# Altium PCB PCB1.PcbDoc
Units mil, origin at the board's own origin, x right, y up, seen from the top; angles counter-clockwise.
Board outline 3915 x 4000 mil, 2 copper layers (Top Layer, Bottom Layer); 10 components, 13 nets, 69 pads, 0 vias.
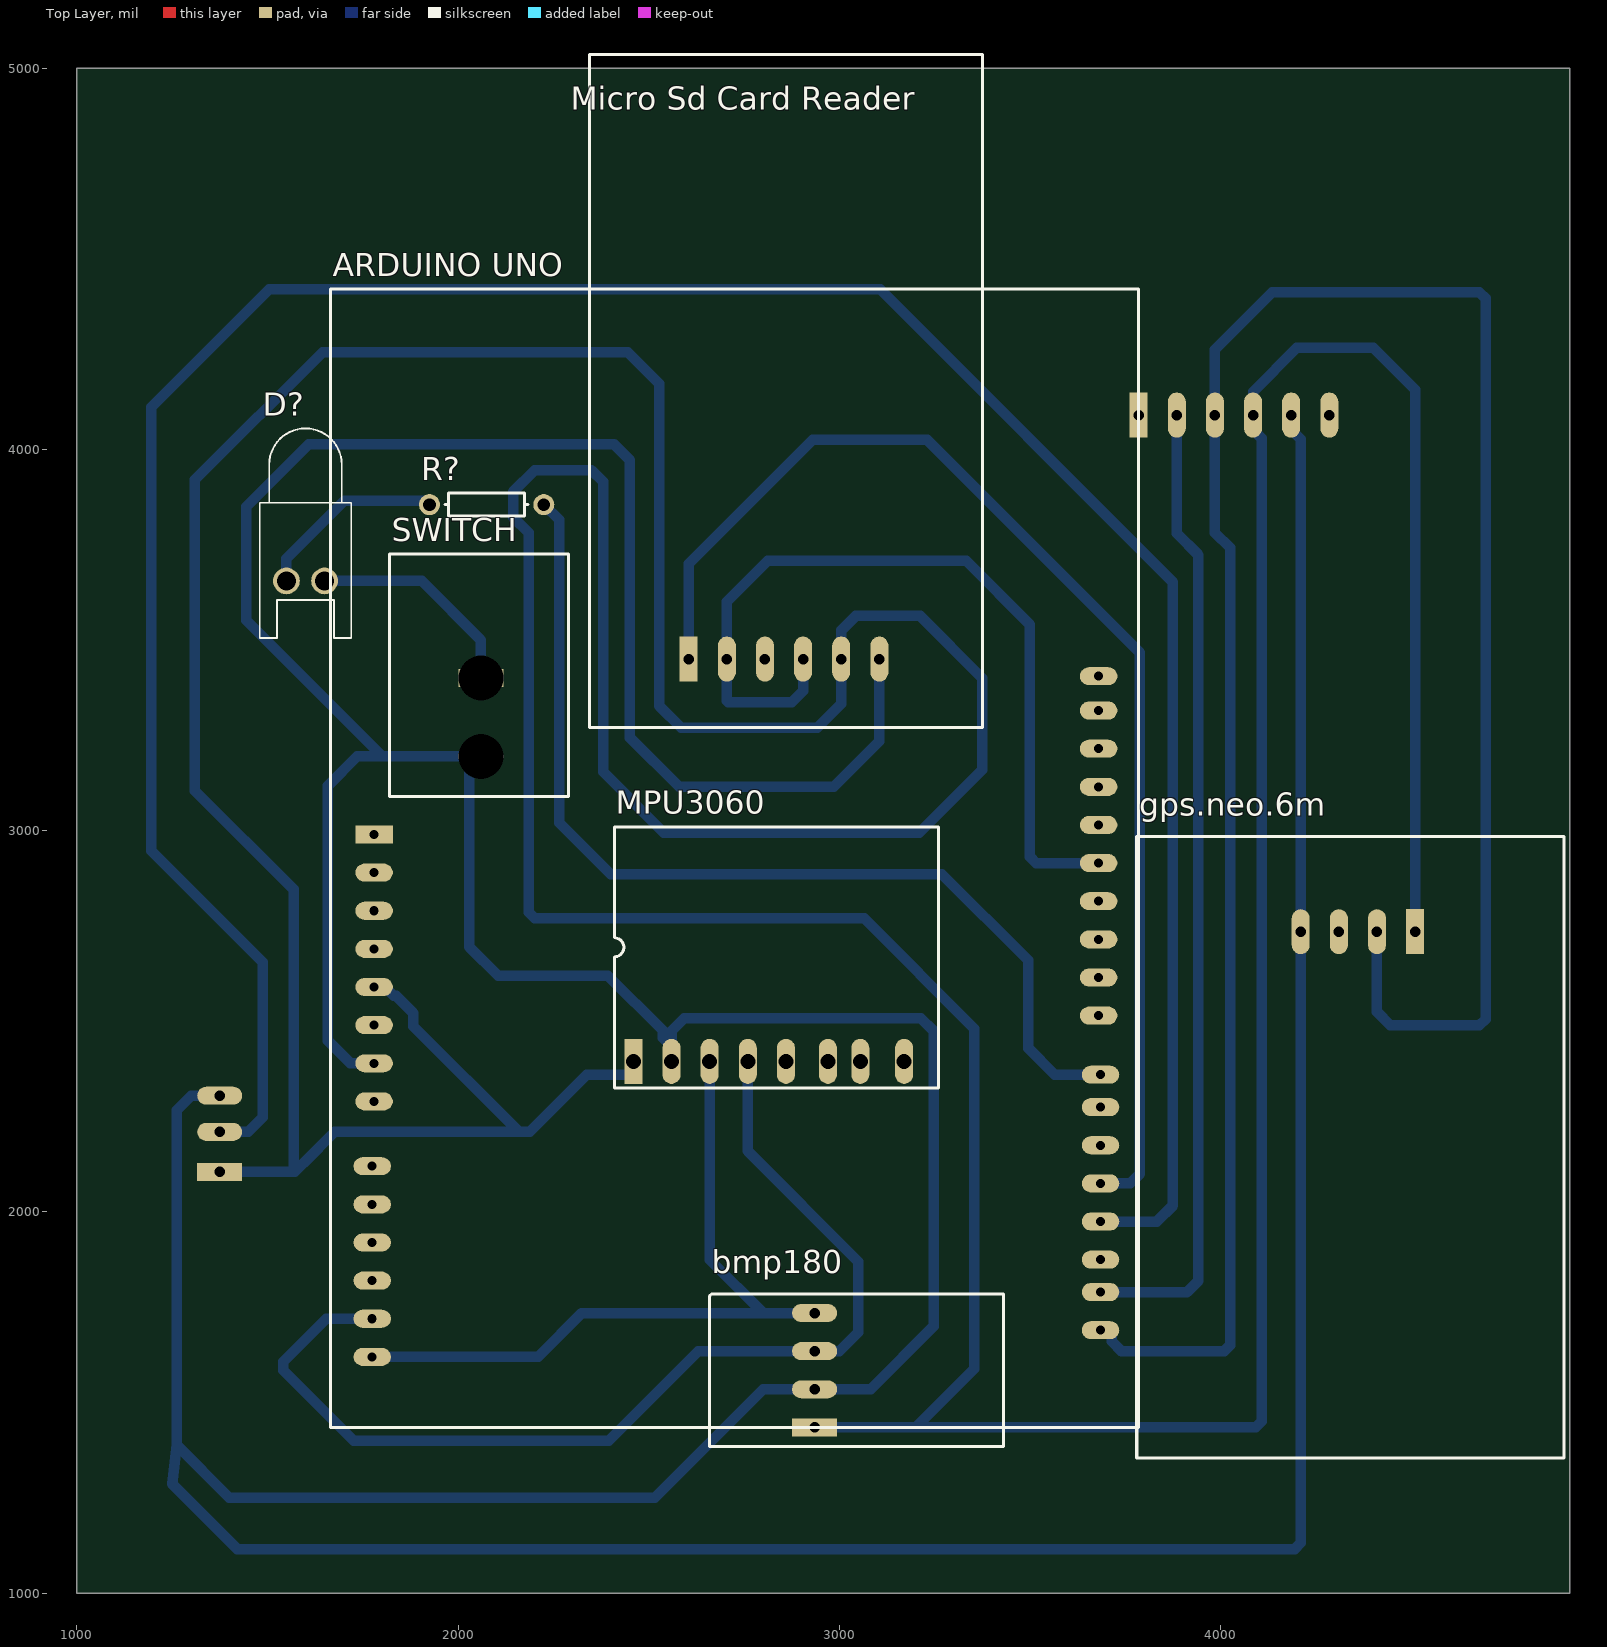
[diagram p0: Top Layer view]
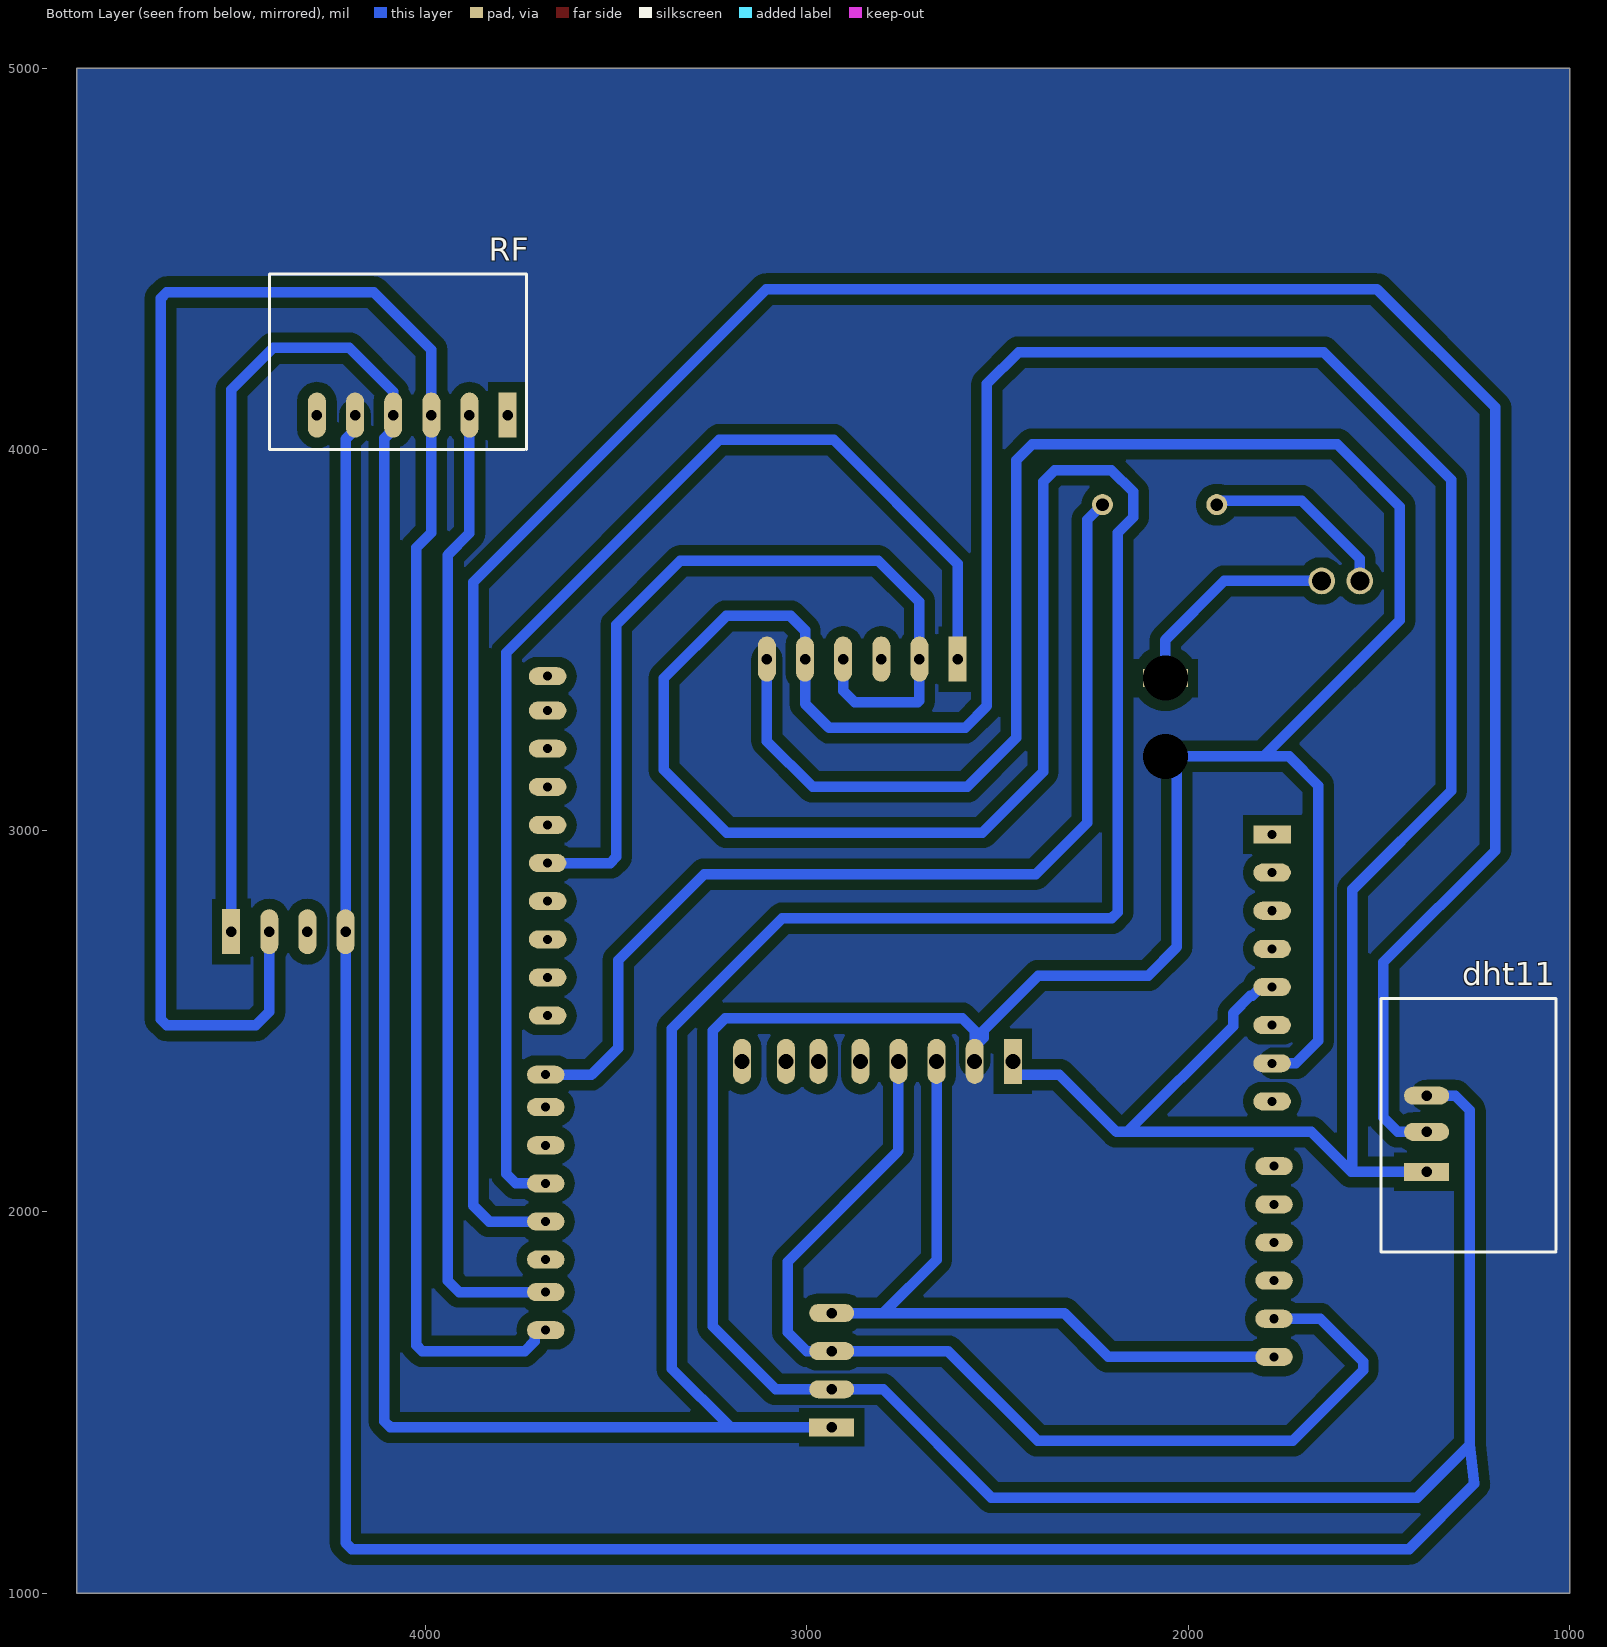
[diagram p1: Bottom Layer view, seen from below]
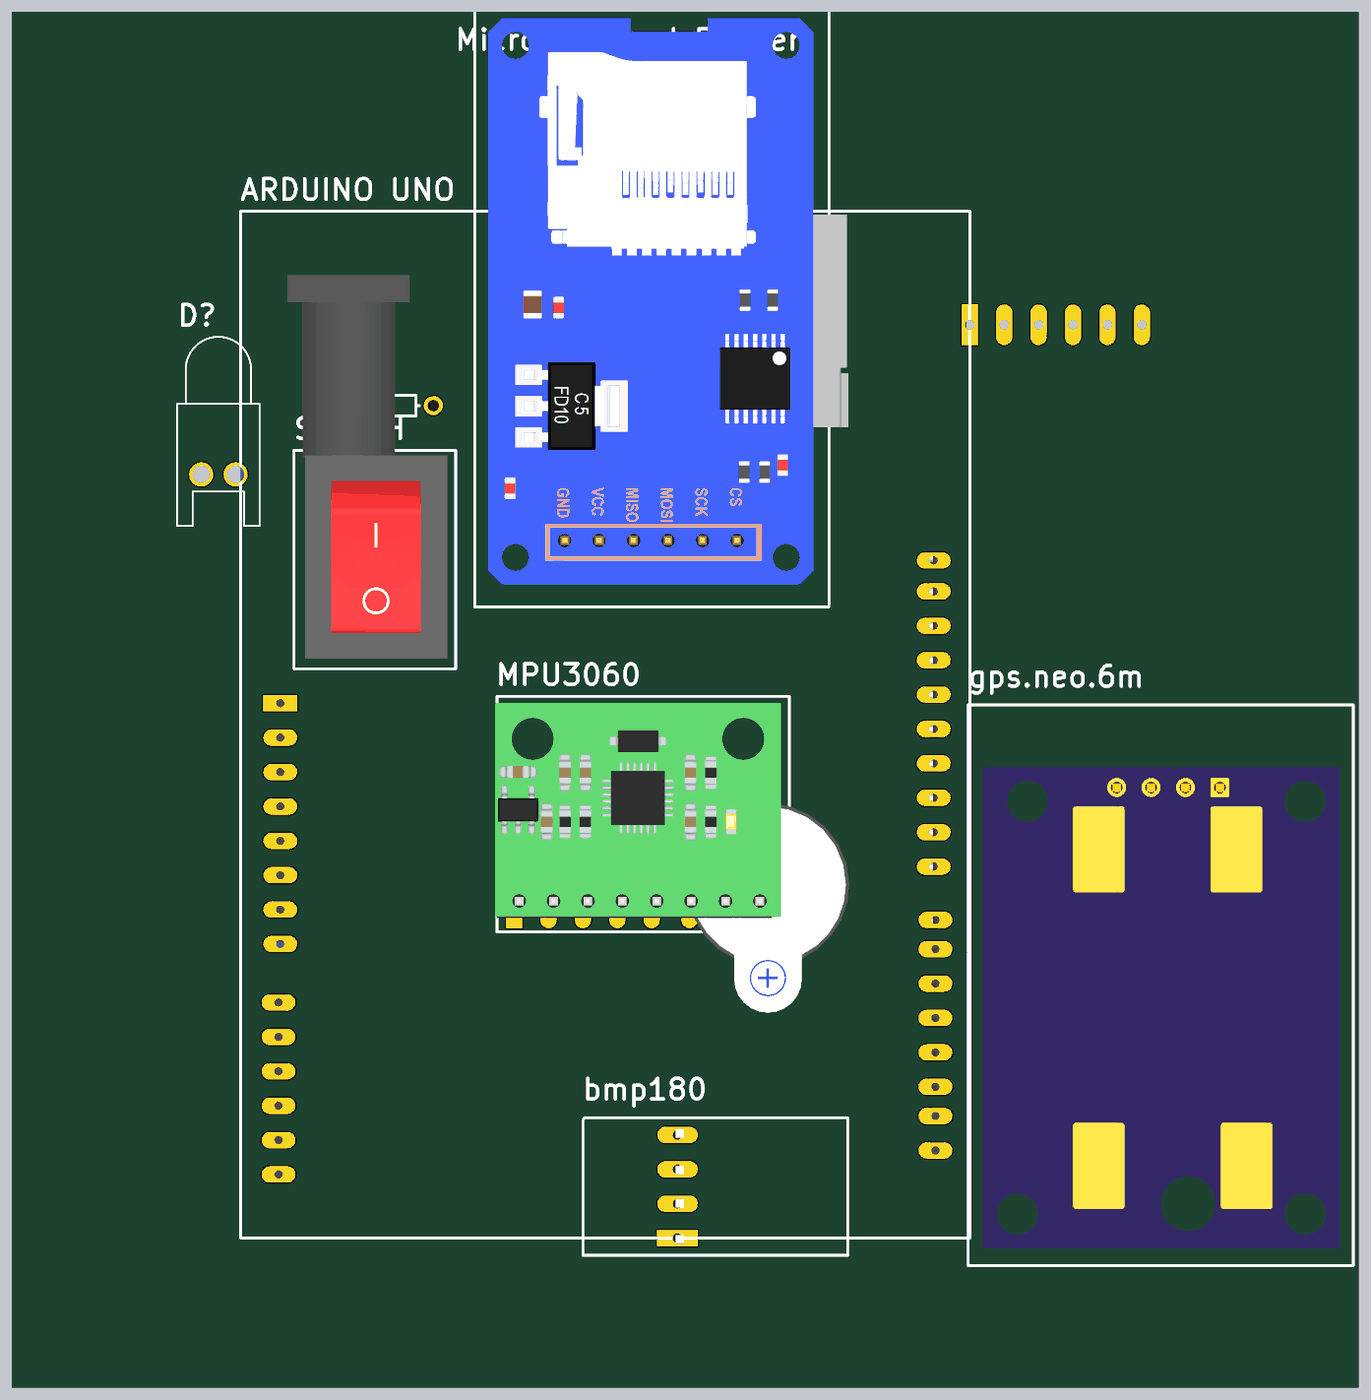
[diagram p2: 3D render of the assembled board from above, using the file's embedded part models]

## Layer stack, top to bottom
Top Solder: solder mask 0.4, Solder Resist, Dk 3.5
Top Layer: signal copper 1.4
Dielectric 1: dielectric 12.6, FR-4, Dk 4.8
Bottom Layer: signal copper 1.4
Bottom Solder: solder mask 0.4, Solder Resist, Dk 3.5

## Board outline
1000,1000 4915,1000 4915,5000 1000,5000

## Design rules (kind name [scope] priority, off if disabled: settings)
Clearance Clearance_3 [InNamedPolygon('NONET_L01_P000')] p1: gap=27.56 ignorepadtopadclearanceinfootprint=FALSE
Clearance Clearance_2 [InNamedPolygon('NONET_L01_P000')] p2: gap=27.56 ignorepadtopadclearanceinfootprint=FALSE
Clearance Clearance_1 [InNamedPolygon('GND_L02_P000')] p3: gap=27.56 ignorepadtopadclearanceinfootprint=FALSE
Clearance [All] p4: gap=39.37 ignorepadtopadclearanceinfootprint=FALSE
PolygonConnect [All] p1: connectstyle=Direct reliefconductorwidth=10 reliefentries=4 polygonreliefangle="90 Angle" airgapwidth=10
RoutingLayers [All] p1: top layer_v5=FALSE bottom layer_v5=TRUE
RoutingVias [All] p1: holewidth=28 width=50 viastyle="Through Hole" minholewidth=28 minwidth=50 maxholewidth=28 maxwidth=50
SolderMaskExpansion [All] p1: expansion=4 istentingtop=FALSE
Width [All] p1: maxlimit=27.56 minlimit=27.56 preferedwidth=27.56
29 further rules are at their usual default settings.

## Components (designator, comment, footprint, x,y, rotation, side; value= is the part's Value field where it differs from the comment)
"ARDUINO UNO" "ARDUINO UNO" "ARDUINO UNO" 1780,2990 r0 top
bmp180 "bmp180" BMP180 2935,1435 r180 top
D? "LED0" LED-0 1600,3655 r180 top
dht11 "dht11" DHT11 460,2040 r0 bottom
gps.neo.6m "gps.neo.6m" gps.neo.6m 4510,2735 r270 top
"Micro Sd Card Reader" "Micro Sd Card Reader" "Micro Sd Card Reader" 2605,3450 r90 top
MPU3060 "MPU3060" mpu6050 2460,2395 r90 top
R? "Res1" AXIAL-0.3 2075,3855 r180 top value=1K
RF "RF" RF 3785,4090 r270 bottom
SWITCH "switch" switch 3280,3915 r0 top (schematic designator switch)

## Footprints (in the part's own frame and the unit in brackets; to place one, negate y for a bottom-side part, rotate by r counter-clockwise, add the part's x,y. Pads: shape width x height; smd on the part's side, far side on the other; paste and mask are expansions set on the pad)
"ARDUINO UNO" [mm]
  rect 2.5x1.2 hole 0.6: 1(0,0)
  oval 2.5x1.2 hole 0.6: 2(0,-2.54) 3(0,-5.08) 4(0,-7.62) 5(0,-10.16) 6(0,-12.7) 7(0,-15.24) 8(0,-17.78) 9(-0.127,-22.098) 10(-0.127,-24.638) 11(-0.127,-27.178) 12(-0.127,-29.718) 13(-0.127,-32.258) 14(-0.127,-34.798) 15(48.387,-33.02) 16(48.387,-30.48) 17(48.387,-28.321) 18(48.387,-25.781) 19(48.387,-23.241) 20(48.387,-20.701) 21(48.387,-18.161) 22(48.387,-16.002) 23(48.26,-12.065) 24(48.26,-9.525) 25(48.26,-6.985) 26(48.26,-4.445) 27(48.26,-1.905) 28(48.26,0.635) 29(48.26,3.175) 30(48.26,5.715) 31(48.26,8.255) 32(48.26,10.541)
  silkscreen extent -2.92,-39.5 50.93,36.32, body extent -2.92,-39.13 50.67,36.08, height 2.49
AXIAL-0.3 [mm] "Axial Device, Thru-Hole; 2 Leads; 0.3 in Pin Spacing"
  round 1.4 hole 0.85: 1(-3.81,0) 2(3.81,0)
  silkscreen extent -2.77,-0.76 2.77,0.76
BMP180 [mm]
  rect 3x1.2 hole 0.7: 1(0,0)
  oval 3x1.2 hole 0.7: 2(0,-2.54) 3(0,-5.08) 4(0,-7.62)
  silkscreen extent -12.57,-8.89 6.99,1.27, body extent -11.83,-8.92 1.16,1.3, height 5.67
DHT11 [mm]
  rect 3x1.2 hole 0.7: 1(23.241,-1.651)
  oval 3x1.2 hole 0.7: 2(23.241,-4.318) 3(23.241,-6.731)
  silkscreen extent 14.6,-13.21 26.29,3.68, body extent 15.5,-12.57 24,3.43, height 20.72
gps.neo.6m [mm]
  rect 3x1.2 hole 0.7: 1(0,0)
  oval 3x1.2 hole 0.7: 2(0,-2.54) 3(0,-5.08) 4(0,-7.62)
  silkscreen extent -6.35,-18.54 35.05,9.91, body extent -1.78,-17.45 33.78,8.89, height 6.12
LED-0 [mil] "LED; 2 Leads"
  round 70 hole 50: 1(50,0) 2(-50,0)
  silkscreen extent -120,-400 120,150
"Micro Sd Card Reader" [mm]
  rect 3x1.2 hole 0.7: 1(0,0)
  oval 3x1.2 hole 0.7: 2(0,-2.54) 3(0,-5.08) 4(0,-7.62) 5(0,-10.16) 6(0,-12.7)
  silkscreen extent -4.57,-19.56 40.26,6.6, body extent -2.92,-18.41 38.88,5.59, height 5.63
mpu6050 [mm]
  rect 3x1.2 hole 1: 1(0,0)
  oval 3x1.2 hole 1: 2(0,-2.54) 3(0,-5.08) 4(0,-7.62) 5(0,-10.16) 6(0,-12.954) 7(0,-15.113) 8(0,-18.034)
  silkscreen extent -1.78,-20.32 15.62,1.27, body extent -0.76,-19.7 15.11,1.41, height 14.61
RF [mm]
  rect 3x1.2 hole 0.7: 1(0,0)
  oval 3x1.2 hole 0.7: 2(0,-2.54) 3(0,-5.08) 4(0,-7.62) 5(0,-10.16) 6(0,-12.7)
  silkscreen extent -9.4,-15.88 2.29,1.27, body extent -8.51,-14.22 0.85,1.53, height 34.93
switch [mm]
  rect 3x1.2 hole 3: 1(-30.988,-13.081)
  oval 3x1.2 hole 3: 2(-30.988,-18.288)
  silkscreen extent -37.08,-20.95 -25.15,-4.83, body extent -36.28,-20.2 -25.78,-5.2, height 16.25

## Part data
D?: "Typical INFRARED GaAs LED", LatestRevisionDate=08-Jul-2005, LatestRevisionNote="Mech Layer 1 removed.", PackageDescription="LED; 2 Leads", PackageReference=LED-0, Published=8-Jun-2000, Publisher="Altium Limited"
R?: "Resistor", LatestRevisionDate=17-Jul-2002, LatestRevisionNote="Re-released for DXP Platform.", PackageDescription="Axial Device, Thru-Hole; 2 Leads; 0.3 in Pin Spacing", PackageReference=AXIAL-0.3, Published=8-Jun-2000, Publisher="Altium Limited"

## Nets (pads, with @x,y where several pads share a name; then routed paths per layer and width w, separated by ;. In a path a pad name is that pad's centre, name@x,y a point inside that pad or via, vN(x,y) a via of type N, cw(c..) or ccw(c..) an arc to the next point about the centre after c; other vN are vias at no path point)
3: "ARDUINO UNO.18" dht11.2 | length 7086
  Bottom Layer w27.56: dht11.2 1450,2210 1488,2248 1488,2654.75 1195,2947.75 1195,4110 1505,4420 3107,4420 3875,3652 3875,2017 3833,1975 3680,1975
5V: "ARDUINO UNO.5" "Micro Sd Card Reader.5" bmp180.1 dht11.1 gps.neo.6m.1 MPU3060.1 RF.4 | length 18851.7
  Bottom Layer w27.56: dht11.1 1569.24,2105 1569.24,2845.76 1310,3105 1310,3920 1645,4255 2445,4255 2528,4172 2528,3327 2584.93,3270.07 2942,3270.07 3005,3333.07 3005,3450 3005,3525 3043,3563 3212,3563 3375,3400 3375,3160 3210,2995 2540,2995 2380.71,3154.29 2380.71,3915 2350,3945.71 2201.57,3945.71 2144.29,3888.43 2144.29,3821.57 2185,3780.86 2185,2786.24 2201.14,2770.1 3064.9,2770.1 3354,2481 3354,1589 3200,1435 ; 1572,2105 1592,2125 1594.76,2127.76 1677,2210 2157.24,2210 ; 1780,2590 1808.35,2590 1831.58,2566.77 1837.39,2566.77 1882.36,2521.8 1882.36,2487.64 2160,2210 2188,2210 ; 2189.95,2211.95 2338,2360 2450.16,2360 MPU3060.1 ; bmp180.1 3200,1435 ; gps.neo.6m.1 4510,4156 4400,4266 4200,4266 4085,4151 4085,4051.81 4108.23,4028.58 4108.23,1451.14 4092.08,1435 3200,1435
anode: D?.1 R?.2 | length 496
  Bottom Layer w27.56: D?.1 1550,3713 1702,3865 R?.2@1925,3865
cathode: D?.2 SWITCH.1 | length 574.2
  Bottom Layer w27.56: D?.2 1905,3655 2060,3500 SWITCH.1
dg4: "ARDUINO UNO.19" "Micro Sd Card Reader.1" | length 3284.8
  Bottom Layer w27.56: 2605,3450 2605,3700 2930,4025 3230,4025 3788.5,3466.5 3788.5,2100 3763.5,2075 3680,2075
dg7: "ARDUINO UNO.22" R?.1 | length 2674.1
  Bottom Layer w27.56: R?.1 2265,3815 2265,3021 2400,2886 3269,2886 3495,2660 3495,2430 3565,2360 3680,2360
dg11: "Micro Sd Card Reader.3"
dg12: "ARDUINO UNO.27" "Micro Sd Card Reader.2" "Micro Sd Card Reader.4" | length 2255.6
  Bottom Layer w27.56: 2905,3450 2905,3367 2875,3337 2709,3337 2705,3341 2705,3450 2705,3600 2812.52,3707.52 3332.48,3707.52 3500,3540 3500,2931.14 3516.14,2915 3675,2915
GND: "ARDUINO UNO.7" "Micro Sd Card Reader.6" bmp180.2 dht11.3 gps.neo.6m.4 MPU3060.2 RF.5 SWITCH.2 | length 16903
  Bottom Layer w27.56: dht11.3 1300,2305 1262,2267 1262,1389 ; 1775,2390 1718,2390 1658.93,2449.07 1658.93,3118.28 1735.65,3195 1801.74,3195 ; SWITCH.2 SWITCH.2@2039.09,3195 ; MPU3060.2 2560,2475 2593,2508 3214,2508 3247,2475 3247,1700 3082,1535 bmp180.2 2800,1535 2516,1251 1400,1251 1262,1389 ; MPU3060.2@2560,2433.19 2536.77,2456.42 2536.77,2476.07 2392.84,2620 2105,2620 2030,2695 2030,3185.91 SWITCH.2@2039.09,3195 ; 3105,3450 3105,3235 2985,3115 2580,3115 2451.02,3243.98 2451.02,3971.98 2409.08,4013.92 1608.92,4013.92 1445,3850 1445,3551.74 1801.74,3195 ; RF.5 4185,4051.81 4210,4026.81 4210,1132.27 4193.86,1116.12 1420.88,1116.12 1250,1287 1262,1389 ; 1801.74,3195 SWITCH.2@2039.09,3195
RX: "ARDUINO UNO.16" RF.2 | length 2567.8
  Bottom Layer w27.56: 3680,1790 3911.72,1790 3941.93,1820.21 3941.93,3722.93 3885,3779.86 RF.2
SCL: "ARDUINO UNO.14" bmp180.4 MPU3060.3 | length 1930.6
  Bottom Layer w27.56: 1770,1620 2210,1620 2325,1735 2800,1735 ; MPU3060.3 2660,1875 2800,1735 ; bmp180.4 2800,1735
SDA: "ARDUINO UNO.13" bmp180.3 MPU3060.4 | length 2831.3
  Bottom Layer w27.56: 1770,1720 1653.89,1720 1541.42,1607.52 1541.42,1584.69 1726.11,1400 2395,1400 2630,1635 bmp180.3 3000,1635 3050,1685 3050,1870 2760,2160 MPU3060.4
TX: "ARDUINO UNO.15" gps.neo.6m.2 RF.3 | length 6192.5
  Bottom Layer w27.56: 3685,1690 3705.26,1690 3714.36,1680.91 3714.36,1660.64 3740,1635 4008.86,1635 4025,1651.14 4025,3741.79 3985,3781.79 RF.3 3985,4261 4135.85,4411.85 4678.6,4411.85 4694.74,4395.71 4694.74,2505.88 4678.6,2489.74 4445.26,2489.74 4410,2525 gps.neo.6m.2
pads on no net: "ARDUINO UNO.1" "ARDUINO UNO.2" "ARDUINO UNO.3" "ARDUINO UNO.4" "ARDUINO UNO.6" "ARDUINO UNO.8" "ARDUINO UNO.9" "ARDUINO UNO.10" "ARDUINO UNO.11" "ARDUINO UNO.12" "ARDUINO UNO.17" "ARDUINO UNO.20" "ARDUINO UNO.21" "ARDUINO UNO.23" "ARDUINO UNO.24" "ARDUINO UNO.25" "ARDUINO UNO.26" "ARDUINO UNO.28" "ARDUINO UNO.29" "ARDUINO UNO.30" "ARDUINO UNO.31" "ARDUINO UNO.32" gps.neo.6m.3 MPU3060.5 MPU3060.6 MPU3060.7 MPU3060.8 RF.1 RF.6

## Polygon pours and split planes (outlines as drawn)
GND on Bottom Layer "GND_L02_P000" (solid, pour order 0): 1000,1000 4915,1000 4915,5000 1000,5000

## Dimensions
970,4970 to 775,1005 on Top Layer
990,5025 to 4930,5155 on Top Layer